# Altium PCB Mutiple_V1.PcbDoc (part 2 of 3)
Units mil, origin at the board's own origin, x right, y up, seen from the top; angles counter-clockwise.
Board outline 6720 x 5120 mil, 2 copper layers (Top Layer, Bottom Layer); 514 components, 299 nets, 1181 pads, 177 vias.
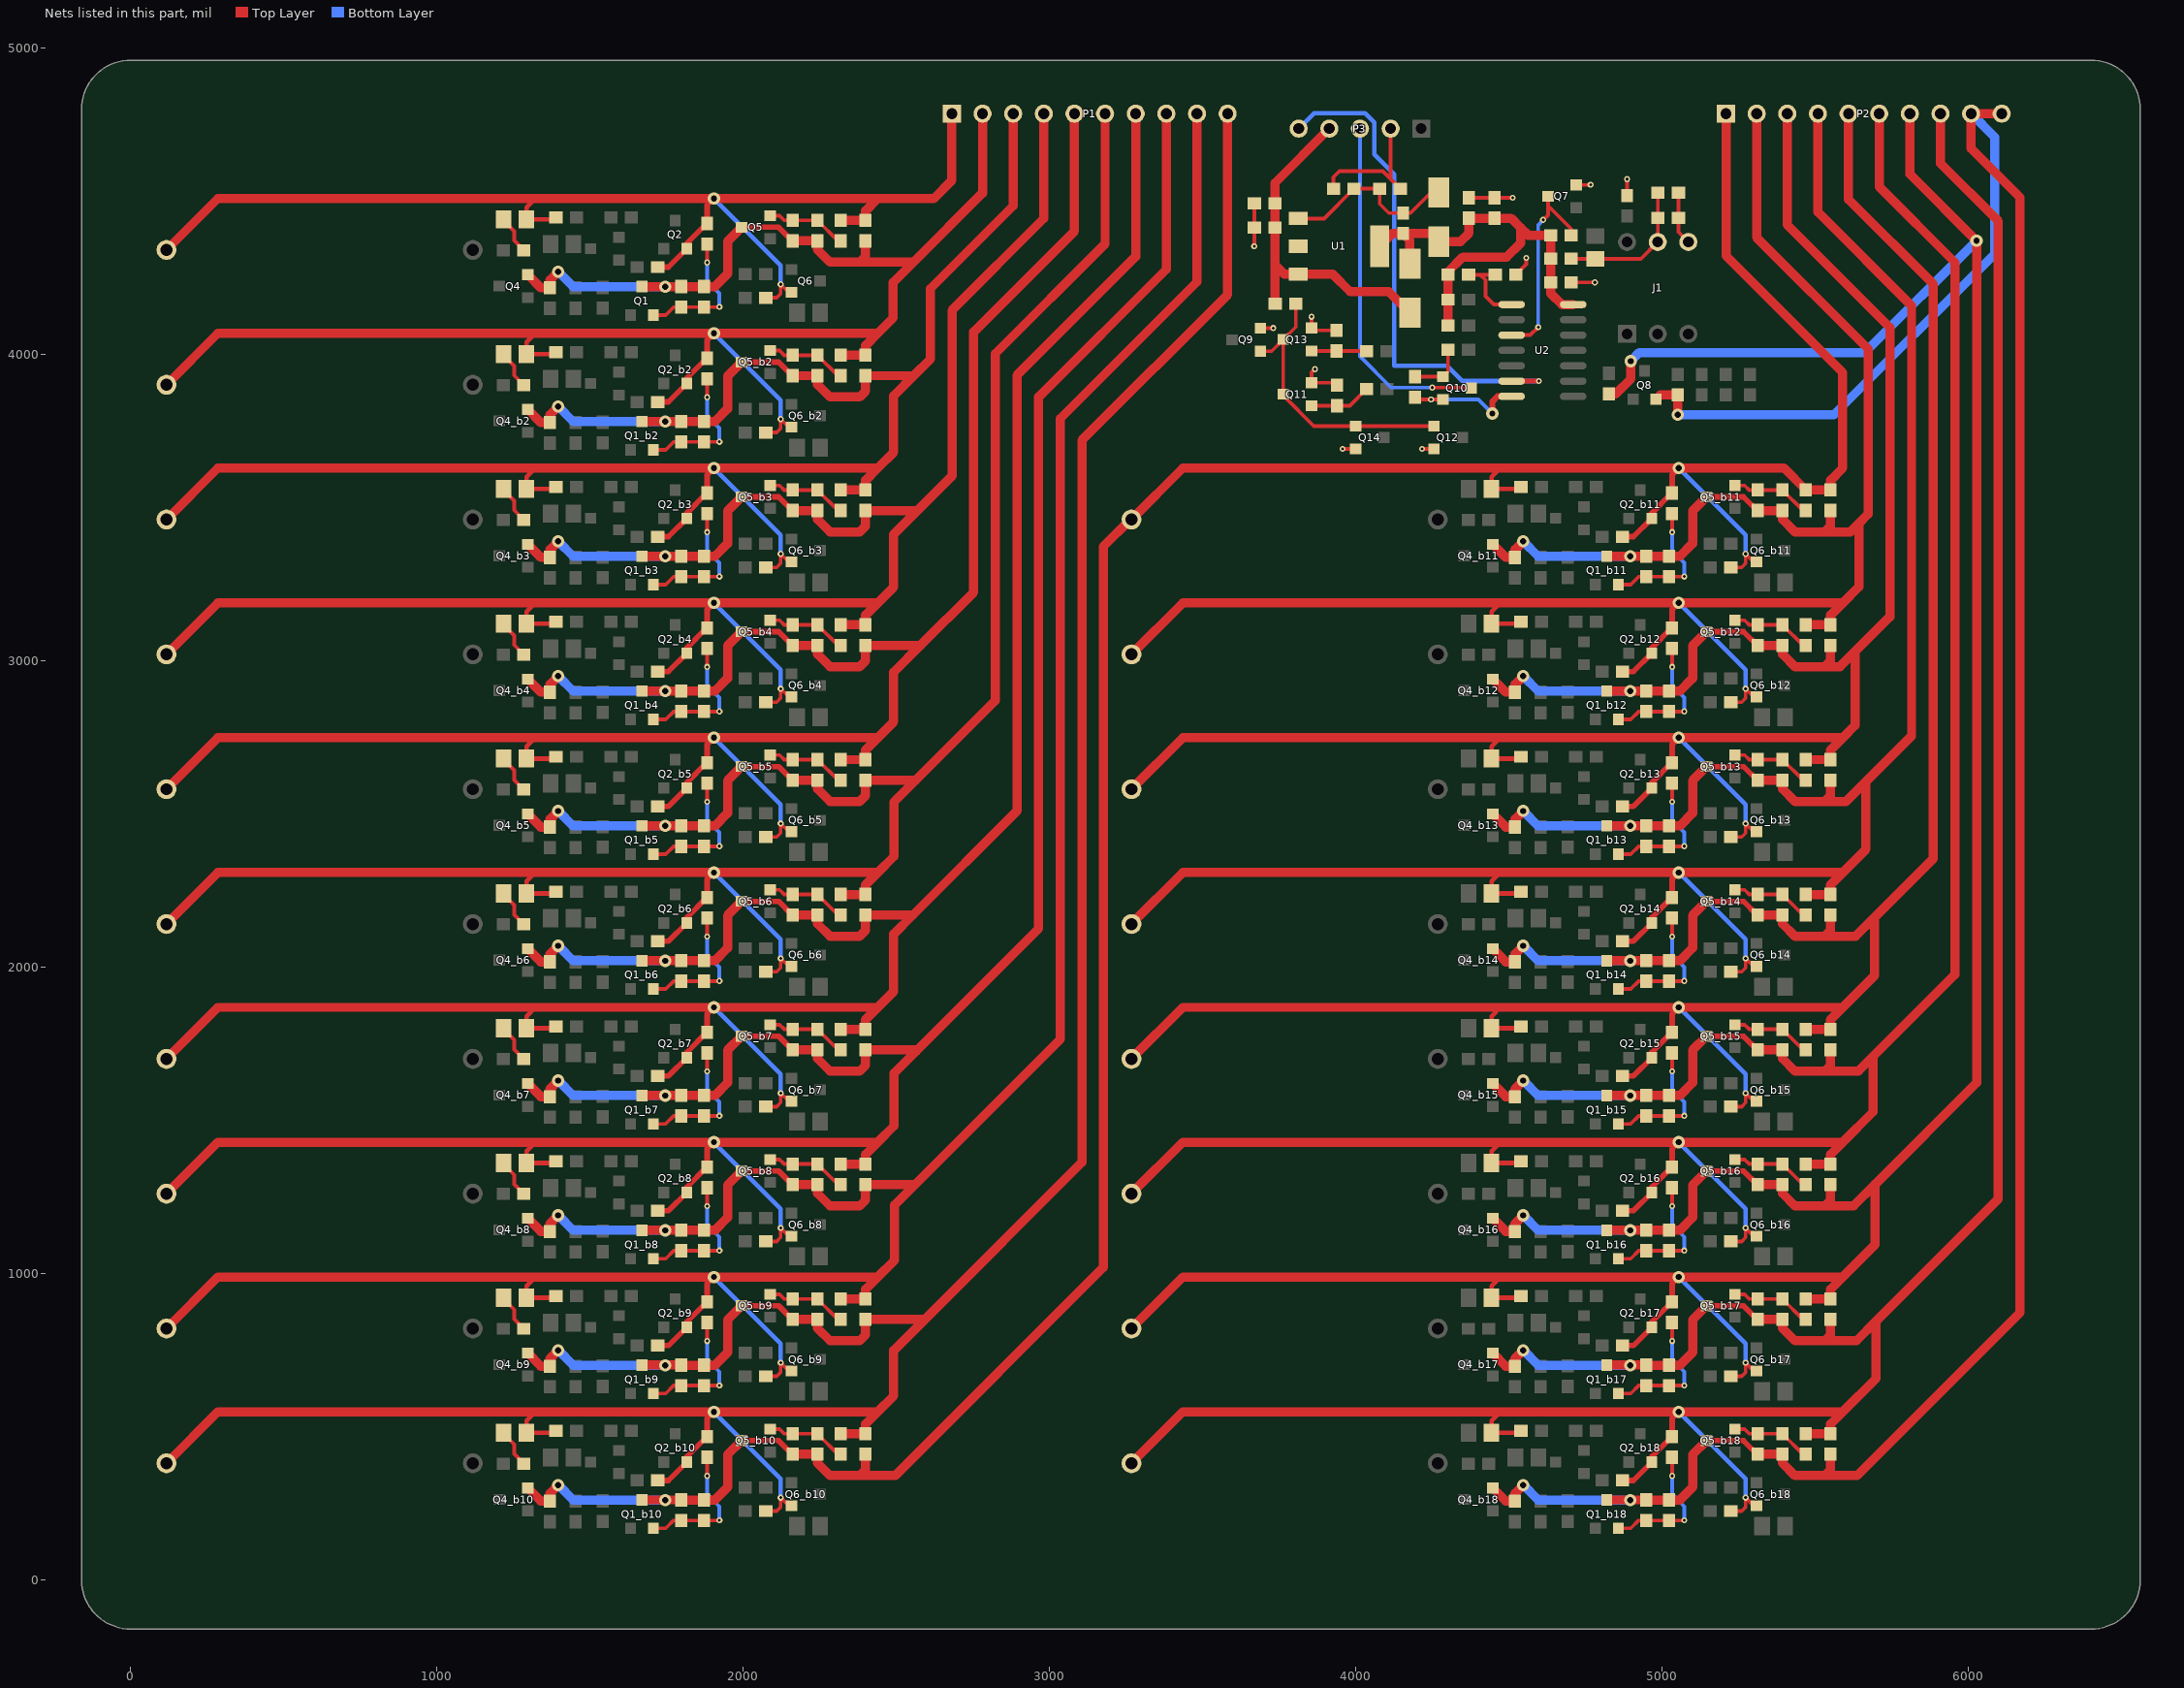
[diagram p2: the nets of this part, all layers, seen from the top]

## Part data
C1 C1_b2 C1_b3 C1_b4 C1_b5 C1_b6 C1_b7 C1_b8 C1_b9 C1_b10 C1_b11 C1_b12 C1_b13 C1_b14 C1_b15 C1_b16 C1_b17 C1_b18 C5 C5_b2 C5_b3 C5_b4 C5_b5 C5_b6 C5_b7 C5_b8 C5_b9 C5_b10 C5_b11 C5_b12 C5_b13 C5_b14 C5_b15 C5_b16 C5_b17 C5_b18 C6 C6_b2 C6_b3 C6_b4 C6_b5 C6_b6 C6_b7 C6_b8 C6_b9 C6_b10 C6_b11 C6_b12 C6_b13 C6_b14 C6_b15 C6_b16 C6_b17 C6_b18 C7 C8 C9 C10 C11 C12 C13 C14 C15 C16 C17 C18: "贴片瓷片电容"
D1 D1_b2 D1_b3 D1_b4 D1_b5 D1_b6 D1_b7 D1_b8 D1_b9 D1_b10 D1_b11 D1_b12 D1_b13 D1_b14 D1_b15 D1_b16 D1_b17 D1_b18: "发光二极管"
D2 D2_b2 D2_b3 D2_b4 D2_b5 D2_b6 D2_b7 D2_b8 D2_b9 D2_b10 D2_b11 D2_b12 D2_b13 D2_b14 D2_b15 D2_b16 D2_b17 D2_b18 D3 D4 D5 D6 D6_b2 D6_b3 D6_b4 D6_b5 D6_b6 D6_b7 D6_b8 D6_b9 D6_b10 D6_b11 D6_b12 D6_b13 D6_b14 D6_b15 D6_b16 D6_b17 D6_b18: library part Diode-R, "整流二极管"
J1: "光电耦合器"
P1 P2: "接插件"
P3: "Header, 5-Pin"
Q1 Q1_b2 Q1_b3 Q1_b4 Q1_b5 Q1_b6 Q1_b7 Q1_b8 Q1_b9 Q1_b10 Q1_b11 Q1_b12 Q1_b13 Q1_b14 Q1_b15 Q1_b16 Q1_b17 Q1_b18 Q5 Q5_b2 Q5_b3 Q5_b4 Q5_b5 Q5_b6 Q5_b7 Q5_b8 Q5_b9 Q5_b10 Q5_b11 Q5_b12 Q5_b13 Q5_b14 Q5_b15 Q5_b16 Q5_b17 Q5_b18: "可控精密稳压源"
Q2 Q2_b2 Q2_b3 Q2_b4 Q2_b5 Q2_b6 Q2_b7 Q2_b8 Q2_b9 Q2_b10 Q2_b11 Q2_b12 Q2_b13 Q2_b14 Q2_b15 Q2_b16 Q2_b17 Q2_b18 Q3 Q3_b2 Q3_b3 Q3_b4 Q3_b5 Q3_b6 Q3_b7 Q3_b8 Q3_b9 Q3_b10 Q3_b11 Q3_b12 Q3_b13 Q3_b14 Q3_b15 Q3_b16 Q3_b17 Q3_b18 Q6 Q6_b2 Q6_b3 Q6_b4 Q6_b5 Q6_b6 Q6_b7 Q6_b8 Q6_b9 Q6_b10 Q6_b11 Q6_b12 Q6_b13 Q6_b14 Q6_b15 Q6_b16 Q6_b17 Q6_b18: library part PNP1, "贴片三极管"
Q4 Q4_b2 Q4_b3 Q4_b4 Q4_b5 Q4_b6 Q4_b7 Q4_b8 Q4_b9 Q4_b10 Q4_b11 Q4_b12 Q4_b13 Q4_b14 Q4_b15 Q4_b16 Q4_b17 Q4_b18: library part MOSFET-N1, "MOSFET"
Q7 Q8 Q9 Q10 Q11 Q12 Q13 Q14: library part NPN1, "贴片三极管"
R1 R1_b2 R1_b3 R1_b4 R1_b5 R1_b6 R1_b7 R1_b8 R1_b9 R1_b10 R1_b11 R1_b12 R1_b13 R1_b14 R1_b15 R1_b16 R1_b17 R1_b18 R2 R2_b2 R2_b3 R2_b4 R2_b5 R2_b6 R2_b7 R2_b8 R2_b9 R2_b10 R2_b11 R2_b12 R2_b13 R2_b14 R2_b15 R2_b16 R2_b17 R2_b18 R3 R3_b2 R3_b3 R3_b4 R3_b5 R3_b6 R3_b7 R3_b8 R3_b9 R3_b10 R3_b11 R3_b12 R3_b13 R3_b14 R3_b15 R3_b16 R3_b17 R3_b18 R4 R4_b2 R4_b3 R4_b4 R4_b5 R4_b6 R4_b7 R4_b8 R4_b9 R4_b10 R4_b11 R4_b12 R4_b13 R4_b14 R4_b15 R4_b16 R4_b17 R4_b18 R5 R5_b2 R5_b3 R5_b4 R5_b5 R5_b6 R5_b7 R5_b8 R5_b9 R5_b10 R5_b11 R5_b12 R5_b13 R5_b14 R5_b15 R5_b16 R5_b17 R5_b18 R6 R6_b2 R6_b3 R6_b4 R6_b5 R6_b6 R6_b7 R6_b8 R6_b9 R6_b10 R6_b11 R6_b12 R6_b13 R6_b14 R6_b15 R6_b16 R6_b17 R6_b18 R7 R7_b2 R7_b3 R7_b4 R7_b5 R7_b6 R7_b7 R7_b8 R7_b9 R7_b10 R7_b11 R7_b12 R7_b13 R7_b14 R7_b15 R7_b16 R7_b17 R7_b18 R8 R8_b2 R8_b3 R8_b4 R8_b5 R8_b6 R8_b7 R8_b8 R8_b9 R8_b10 R8_b11 R8_b12 R8_b13 R8_b14 R8_b15 R8_b16 R8_b17 R8_b18 R9 R9_b2 R9_b3 R9_b4 R9_b5 R9_b6 R9_b7 R9_b8 R9_b9 R9_b10 R9_b11 R9_b12 R9_b13 R9_b14 R9_b15 R9_b16 R9_b17 R9_b18 R10 R10_b2 R10_b3 R10_b4 R10_b5 R10_b6 R10_b7 R10_b8 R10_b9 R10_b10 R10_b11 R10_b12 R10_b13 R10_b14 R10_b15 R10_b16 R10_b17 R10_b18 R11 R11_b2 R11_b3 R11_b4 R11_b5 R11_b6 R11_b7 R11_b8 R11_b9 R11_b10 R11_b11 R11_b12 R11_b13 R11_b14 R11_b15 R11_b16 R11_b17 R11_b18 R12 R12_b2 R12_b3 R12_b4 R12_b5 R12_b6 R12_b7 R12_b8 R12_b9 R12_b10 R12_b11 R12_b12 R12_b13 R12_b14 R12_b15 R12_b16 R12_b17 R12_b18 R13 R13_b2 R13_b3 R13_b4 R13_b5 R13_b6 R13_b7 R13_b8 R13_b9 R13_b10 R13_b11 R13_b12 R13_b13 R13_b14 R13_b15 R13_b16 R13_b17 R13_b18 R14 R14_b2 R14_b3 R14_b4 R14_b5 R14_b6 R14_b7 R14_b8 R14_b9 R14_b10 R14_b11 R14_b12 R14_b13 R14_b14 R14_b15 R14_b16 R14_b17 R14_b18 R15 R16 R17 R18 R19 R20 R21 R22 R23 R24 R25 R26 R27 R28 R29 R30 R31: "贴片电阻"
U1: "稳压芯片"
U2: "单输入端双D触发器"

## Via types
v1: diameter 20, hole 10, Top Layer to Bottom Layer, 115 vias
v2: diameter 40, hole 20, Top Layer to Bottom Layer, 58 vias
v3: diameter 125.98, hole 125.98, Top Layer to Bottom Layer, 4 vias

## Nets (pads, with @x,y where several pads share a name; then routed paths per layer and width w, separated by ;. In a path a pad name is that pad's centre, name@x,y a point inside that pad or via, vN(x,y) a via of type N, cw(c..) or ccw(c..) an arc to the next point about the centre after c; other vN are vias at no path point)
5V: C9.2 C10.2 C14.1 D4.2 D5.1 R15.2 R18.2 R19.1 R21.2 R26.2 R27.2 U1.2 U1.4 U2.14 | length 1556.5
  Top Layer w30: U1.4@4076.87,4353 4118.41,4394.54 R19.1@4154,4394.54 ; D5.1@4176,4296 4176,4372.54 R19.1@4154,4394.54 ; R27.2@4300.54,4095 R26.2@4300.54,4179 R21.2@4300.54,4260 4300.54,4269.76 4348.77,4318 4492,4318 4537,4363 4537,4414 ; C9.2@4452,4444.46 4506.54,4444.46 4537,4414 ; C9.2@4452,4444.54 C10.2@4369,4444.54 4369,4396 4341,4368 D4.2@4270,4368 4243.46,4394.54 R19.1@4154,4394.54 ; U2.14@4708.94,4163 4672,4163 4635.54,4199.46 R18.2@4635.54,4312 R15.2@4635.54,4389 4562,4389 4537,4414
12V: C7.2 C8.2 D5.2 P3.4 R28.1 U1.3 | length 1151.4
  Top Layer w30: R28.1@3736.54,4165 3735.46,4166.07 3735.46,4292.54 ; P3.4@3913,4737 3735.46,4559.46 C7.2@3735.46,4493 C8.2@3735.46,4414 3735.46,4292.54 ; D5.2@4176,4136 4107,4205 3981,4205 3923.55,4262.45 U1.3@3811.13,4262.45 3765.55,4262.45 3735.46,4292.54
ALARM: P3.3 Q10.3 | length 1149.3
  Top Layer w12: v1(4249,3892) 4374.26,3892 Q10.3@4376.26,3890
  Bottom Layer w12: P3.3@4013,4737 4013,3994 4115,3892 v1(4249,3892)
B1: Q9.1 Q11.3 Q12.1 Q13.3 Q14.1 R28.2 | length 939.5
  Top Layer w12: Q9.1@3688.26,4010.6 3724.34,4010.6 Q13.3@3762.74,4049 ; R28.2@3803.46,4165 3803.46,4089.72 Q13.3@3762.74,4049 ; Q12.1@4254.74,3766.4 Q14.1@3998.74,3766.4 3862.41,3766.4 3762.74,3866.07 Q11.3@3762.74,3870 Q13.3@3762.74,4049
C-: C7.1 C8.1 C9.1 C10.1 C11.1 C12.1 C13.1 C14.2 C15.2 C16.2 C17.2 C18.2 J1.4 P3.2 Q7.2 Q9.2 Q10.2 Q11.2 Q12.2 Q13.2 Q14.2 R17.2 R20.2 U2.7 | length 1960.8
  Top Layer w12: v1(3668,4353) 3668.54,4352.46 C8.1@3668.54,4414 C7.1@3668.54,4493 ; Q9.2@3688.26,4085.4 3688.86,4086 v1(3729.82,4086) ; v1(3855.26,4123.26) Q13.2@3855.26,4086.4 3863.2,4078.46 C18.2@3937,4078.46 ; v1(3866,3952) 3855.26,3941.26 Q11.2@3855.26,3907.4 3930.06,3907.4 C17.2@3938,3899.46 ; C12.1@3926.54,4541 3926.54,4578.54 3946,4598 4087.46,4598 4113,4572.46 ; v1(3956.4,3691.6) Q14.2@3998.74,3691.6 ; P3.2@4113,4737 4113,4572.46 ; R20.2@4144.46,4541 4113,4572.46 ; C16.2@4193,3860.54 4200.94,3852.6 Q10.2@4283.74,3852.6 ; v1(4215.6,3691.6) Q12.2@4254.74,3691.6 ; C10.1@4369,4511.46 C9.1@4452,4511.46 v1(4511.46,4511.46) ; C13.1@4521.46,4260 4556,4294.54 v1(4556,4315) ; C14.2@4702.46,4235 v1(4780,4235) ; Q7.2@4719.26,4553.4 4766.6,4553.4 v1(4766,4554) ; R17.2@4885,4518.46 v1(4885,4572) ; C15.2@5052.46,4528 C11.1@5052.46,4446 5052.46,4399.54 J1.4@5085,4367
  Top Layer w20: v2(4445,3807) 4445,3846 4462,3863 U2.7@4508,3863
  Bottom Layer w12: v1(4245,3853) 4245.4,3852.6 4399.4,3852.6 v2(4445,3807)
EDGE: Q7.3 R15.1 U2.3 | length 665.5
  Top Layer w12: U2.3@4508,4063 4569,4063 v1(4595,4089) ; v1(4611,4439) 4626.74,4454.74 4626.74,4485.26 ; Q7.3@4626.74,4516 4626.74,4485.26 ; R15.1@4702.46,4389 4702.46,4409.54 4626.74,4485.26
  Bottom Layer w12: v1(4595,4089) 4595,4423 v1(4611,4439)
IN_A0: C1.2 D1.1 P1.1 Q2.2 Q6.2 R1.2 R3.2 R4.1 R9.2 R11.2 R13.2 | length 4046.9
  Top Layer w12: R13.2@2073.46,4185 2109,4185 2122,4198 v1(2122,4229) 2148.4,4202.6 Q6.2@2157.74,4202.6
  Top Layer w15: 1321,4509 1292.4,4480.4 D1.1@1292.4,4441 1382.54,4441 R4.1@1388.54,4447
  Top Layer w18: R3.2@1720.46,4285 1755.66,4285 Q2.2@1815.4,4344.74 1815.4,4362.15 1880.72,4427.46 R1.2@1882,4427.46 1882,4487 v2(1904,4509)
  Top Layer w30: R9.2@117,4341 285,4509 1321,4509 v2(1904,4509) 2439,4509 ; R11.2@2318,4437.46 C1.2@2399,4437.46 2399,4469 2439,4509 ; P1.1@2681,4786 2681,4568 2622,4509 2439,4509
  Bottom Layer w15: v2(1904,4509) 2122,4291 v1(2122,4229)
IN_A1: C1.1 C1_b2.2 C5.1 C6.1 D1_b2.1 P1.2 Q1.3 Q2_b2.2 Q4.2 Q5.3 Q6_b2.2 R1_b2.2 R2.1 R3_b2.2 R4_b2.1 R8.1 R9_b2.2 R11_b2.2 R12.1 R13_b2.2 | length 6191.7
  Top Layer w12: R13_b2.2@2073.46,3745 2109,3745 2122,3758 v1(2122,3789) 2148.4,3762.6 Q6_b2.2@2157.74,3762.6
  Top Layer w15: 1321,4069 1292.4,4040.4 D1_b2.1@1292.4,4001 1382.54,4001 R4_b2.1@1388.54,4007
  Top Layer w18: Q1.3@1669,4221.26 v2@1745,4221.26 ; R3_b2.2@1720.46,3845 1755.66,3845 Q2_b2.2@1815.4,3904.74 1815.4,3922.15 1880.72,3987.46 R1_b2.2@1882,3987.46 1882,4047 v2(1904,4069) ; Q5.3@1994.74,4415 2115.26,4415 2159.72,4370.54 C6.1@2161,4370.54
  Top Layer w30: R9_b2.2@117,3901 285,4069 1321,4069 v2(1904,4069) 2439,4069 ; Q4.2@1296.26,4260.4 1339.2,4217.46 R8.1@1369,4217.46 1369,4243 v2(1396,4270) ; Q1.3@1669,4221.26 1669.2,4221.46 C5.1@1798,4221.46 1798.2,4221.26 1907.33,4221.26 1949,4262.93 1949,4369.26 Q5.3@1994.74,4415 ; C6.1@2161,4370.54 R12.1@2242,4370.54 2242,4342 2283,4301 2380,4301 ; R11_b2.2@2318,3997.46 C1_b2.2@2399,3997.46 2399,4029 2439,4069 ; C1.1@2399,4370.54 2399,4320 2380,4301 ; P1.2@2781,4786 2781,4526.58 2555.42,4301 ; 2380,4301 2555.42,4301 ; 2439,4069 2489,4119 2489,4234.58 2555.42,4301
  Bottom Layer w15: v2(1904,4069) 2122,3851 v1(2122,3789)
  Bottom Layer w18: v2@1740,4221.26 1745.26,4221.26 v2(1745,4221)
  Bottom Layer w30: v2(1396,4270) 1444.74,4221.26 1739.74,4221.26 v2@1740,4221
IN_A2: C1_b2.1 C1_b3.2 C5_b2.1 C6_b2.1 D1_b3.1 P1.3 Q1_b2.3 Q2_b3.2 Q4_b2.2 Q5_b2.3 Q6_b3.2 R1_b3.2 R2_b2.1 R3_b3.2 R4_b3.1 R8_b2.1 R9_b3.2 R11_b3.2 R12_b2.1 R13_b3.2 | length 6655.3
  Top Layer w12: R13_b3.2@2073.46,3305 2109,3305 2122,3318 v1(2122,3349) 2148.4,3322.6 Q6_b3.2@2157.74,3322.6
  Top Layer w15: 1321,3629 1292.4,3600.4 D1_b3.1@1292.4,3561 1382.54,3561 R4_b3.1@1388.54,3567
  Top Layer w18: Q1_b2.3@1669,3781.26 v2@1745,3781.26 ; R3_b3.2@1720.46,3405 1755.66,3405 Q2_b3.2@1815.4,3464.74 1815.4,3482.15 1880.72,3547.46 R1_b3.2@1882,3547.46 1882,3607 v2(1904,3629) ; Q5_b2.3@1994.74,3975 2115.26,3975 2159.72,3930.54 C6_b2.1@2161,3930.54
  Top Layer w30: R9_b3.2@117,3461 285,3629 1321,3629 v2(1904,3629) 2439,3629 ; Q4_b2.2@1296.26,3820.4 1339.2,3777.46 R8_b2.1@1369,3777.46 1369,3803 v2(1396,3830) ; Q1_b2.3@1669,3781.26 1669.2,3781.46 C5_b2.1@1798,3781.46 1798.2,3781.26 1907.33,3781.26 1949,3822.93 1949,3929.26 Q5_b2.3@1994.74,3975 ; C6_b2.1@2161,3930.54 R12_b2.1@2242,3930.54 2242,3902 2283,3861 2380,3861 2399,3880 C1_b2.1@2399,3930.54 2556.54,3930.54 ; R11_b3.2@2318,3557.46 C1_b3.2@2399,3557.46 2399,3589 2439,3629 ; P1.3@2881,4786 2881,4485.16 2610.42,4214.58 2610.42,3984.42 2556.54,3930.54 ; 2439,3629 2491,3681 2491,3865 2556.54,3930.54
  Bottom Layer w15: v2(1904,3629) 2122,3411 v1(2122,3349)
  Bottom Layer w18: v2@1740,3781.26 1745.26,3781.26 v2(1745,3781)
  Bottom Layer w30: v2(1396,3830) 1444.74,3781.26 1739.74,3781.26 v2@1740,3781
IN_A3: C1_b3.1 C1_b4.2 C5_b3.1 C6_b3.1 D1_b4.1 P1.4 Q1_b3.3 Q2_b4.2 Q4_b3.2 Q5_b3.3 Q6_b4.2 R1_b4.2 R2_b3.1 R3_b4.2 R4_b4.1 R8_b3.1 R9_b4.2 R11_b4.2 R12_b3.1 R13_b4.2 | length 7148.7
  Top Layer w12: R13_b4.2@2073.46,2865 2109,2865 2122,2878 v1(2122,2909) 2148.4,2882.6 Q6_b4.2@2157.74,2882.6
  Top Layer w15: 1321,3189 1292.4,3160.4 D1_b4.1@1292.4,3121 1382.54,3121 R4_b4.1@1388.54,3127
  Top Layer w18: Q1_b3.3@1669,3341.26 v2@1745,3341.26 ; R3_b4.2@1720.46,2965 1755.66,2965 Q2_b4.2@1815.4,3024.74 1815.4,3042.15 1880.72,3107.46 R1_b4.2@1882,3107.46 1882,3167 v2(1904,3189) ; Q5_b3.3@1994.74,3535 2115.26,3535 2159.72,3490.54 C6_b3.1@2161,3490.54
  Top Layer w30: R9_b4.2@117,3021 285,3189 1321,3189 v2(1904,3189) 2439,3189 ; Q4_b3.2@1296.26,3380.4 1339.2,3337.46 R8_b3.1@1369,3337.46 1369,3363 v2(1396,3390) ; Q1_b3.3@1669,3341.26 1669.2,3341.46 C5_b3.1@1798,3341.46 1798.2,3341.26 1907.33,3341.26 1949,3382.93 1949,3489.26 Q5_b3.3@1994.74,3535 ; C6_b3.1@2161,3490.54 R12_b3.1@2242,3490.54 2242,3462 2283,3421 2380,3421 2399,3440 C1_b3.1@2399,3490.54 2568.54,3490.54 ; R11_b4.2@2318,3117.46 C1_b4.2@2399,3117.46 2399,3149 2439,3189 ; P1.4@2981,4786 2981,4443.74 2681.13,4143.87 2681.13,3603.13 2568.54,3490.54 ; 2439,3189 2491,3241 2491,3413 2568.54,3490.54
  Bottom Layer w15: v2(1904,3189) 2122,2971 v1(2122,2909)
  Bottom Layer w18: v2@1740,3341.26 1745.26,3341.26 v2(1745,3341)
  Bottom Layer w30: v2(1396,3390) 1444.74,3341.26 1739.74,3341.26 v2@1740,3341
IN_A4: C1_b4.1 C1_b5.2 C5_b4.1 C6_b4.1 D1_b5.1 P1.5 Q1_b4.3 Q2_b5.2 Q4_b4.2 Q5_b4.3 Q6_b5.2 R1_b5.2 R2_b4.1 R3_b5.2 R4_b5.1 R8_b4.1 R9_b5.2 R11_b5.2 R12_b4.1 R13_b5.2 | length 7640.1
  Top Layer w12: R13_b5.2@2073.46,2425 2109,2425 2122,2438 v1(2122,2469) 2148.4,2442.6 Q6_b5.2@2157.74,2442.6
  Top Layer w15: 1321,2749 1292.4,2720.4 D1_b5.1@1292.4,2681 1382.54,2681 R4_b5.1@1388.54,2687
  Top Layer w18: Q1_b4.3@1669,2901.26 v2@1745,2901.26 ; R3_b5.2@1720.46,2525 1755.66,2525 Q2_b5.2@1815.4,2584.74 1815.4,2602.15 1880.72,2667.46 R1_b5.2@1882,2667.46 1882,2727 v2(1904,2749) ; Q5_b4.3@1994.74,3095 2115.26,3095 2159.72,3050.54 C6_b4.1@2161,3050.54
  Top Layer w30: R9_b5.2@117,2581 285,2749 1321,2749 v2(1904,2749) 2439,2749 ; Q4_b4.2@1296.26,2940.4 1339.2,2897.46 R8_b4.1@1369,2897.46 1369,2923 v2(1396,2950) ; Q1_b4.3@1669,2901.26 1669.2,2901.46 C5_b4.1@1798,2901.46 1798.2,2901.26 1907.33,2901.26 1949,2942.93 1949,3049.26 Q5_b4.3@1994.74,3095 ; C6_b4.1@2161,3050.54 R12_b4.1@2242,3050.54 2242,3022 2283,2981 2380,2981 2399,3000 C1_b4.1@2399,3050.54 2578.54,3050.54 ; R11_b5.2@2318,2677.46 C1_b5.2@2399,2677.46 2399,2709 2439,2749 ; P1.5@3081,4786 3081,4402.31 2751.84,4073.16 2751.84,3223.84 2578.54,3050.54 ; 2439,2749 2491,2801 2491,2963 2578.54,3050.54
  Bottom Layer w15: v2(1904,2749) 2122,2531 v1(2122,2469)
  Bottom Layer w18: v2@1740,2901.26 1745.26,2901.26 v2(1745,2901)
  Bottom Layer w30: v2(1396,2950) 1444.74,2901.26 1739.74,2901.26 v2@1740,2901
IN_A5: C1_b5.1 C1_b6.2 C5_b5.1 C6_b5.1 D1_b6.1 P1.6 Q1_b5.3 Q2_b6.2 Q4_b5.2 Q5_b5.3 Q6_b6.2 R1_b6.2 R2_b5.1 R3_b6.2 R4_b6.1 R8_b5.1 R9_b6.2 R11_b6.2 R12_b5.1 R13_b6.2 | length 8105
  Top Layer w12: R13_b6.2@2073.46,1985 2109,1985 2122,1998 v1(2122,2029) 2148.4,2002.6 Q6_b6.2@2157.74,2002.6
  Top Layer w15: 1321,2309 1292.4,2280.4 D1_b6.1@1292.4,2241 1382.54,2241 R4_b6.1@1388.54,2247
  Top Layer w18: Q1_b5.3@1669,2461.26 v2@1745,2461.26 ; R3_b6.2@1720.46,2085 1755.66,2085 Q2_b6.2@1815.4,2144.74 1815.4,2162.15 1880.72,2227.46 R1_b6.2@1882,2227.46 1882,2287 v2(1904,2309) ; Q5_b5.3@1994.74,2655 2115.26,2655 2159.72,2610.54 C6_b5.1@2161,2610.54
  Top Layer w30: R9_b6.2@117,2141 285,2309 1321,2309 v2(1904,2309) 2439,2309 ; Q4_b5.2@1296.26,2500.4 1339.2,2457.46 R8_b5.1@1369,2457.46 1369,2483 v2(1396,2510) ; Q1_b5.3@1669,2461.26 1669.2,2461.46 C5_b5.1@1798,2461.46 1798.2,2461.26 1907.33,2461.26 1949,2502.93 1949,2609.26 Q5_b5.3@1994.74,2655 ; C6_b5.1@2161,2610.54 R12_b5.1@2242,2610.54 2242,2582 2283,2541 2380,2541 2399,2560 C1_b5.1@2399,2610.54 2559.46,2610.54 2561.28,2608.72 ; R11_b6.2@2318,2237.46 C1_b6.2@2399,2237.46 2399,2269 2439,2309 ; P1.6@3181,4786 3181,4360.89 2822.55,4002.45 2822.55,2870 2561.28,2608.72 ; 2439,2309 2492,2362 2492,2539.45 2561.28,2608.72
  Bottom Layer w15: v2(1904,2309) 2122,2091 v1(2122,2029)
  Bottom Layer w18: v2@1740,2461.26 1745.26,2461.26 v2(1745,2461)
  Bottom Layer w30: v2(1396,2510) 1444.74,2461.26 1739.74,2461.26 v2@1740,2461
IN_A6: C1_b6.1 C1_b7.2 C5_b6.1 C6_b6.1 D1_b7.1 P1.7 Q1_b6.3 Q2_b7.2 Q4_b6.2 Q5_b6.3 Q6_b7.2 R1_b7.2 R2_b6.1 R3_b7.2 R4_b7.1 R8_b6.1 R9_b7.2 R11_b7.2 R12_b6.1 R13_b7.2 | length 8578
  Top Layer w12: R13_b7.2@2073.46,1545 2109,1545 2122,1558 v1(2122,1589) 2148.4,1562.6 Q6_b7.2@2157.74,1562.6
  Top Layer w15: 1321,1869 1292.4,1840.4 D1_b7.1@1292.4,1801 1382.54,1801 R4_b7.1@1388.54,1807
  Top Layer w18: Q1_b6.3@1669,2021.26 v2@1745,2021.26 ; R3_b7.2@1720.46,1645 1755.66,1645 Q2_b7.2@1815.4,1704.74 1815.4,1722.15 1880.72,1787.46 R1_b7.2@1882,1787.46 1882,1847 v2(1904,1869) ; Q5_b6.3@1994.74,2215 2115.26,2215 2159.72,2170.54 C6_b6.1@2161,2170.54
  Top Layer w30: R9_b7.2@117,1701 285,1869 1321,1869 v2(1904,1869) 2439,1869 ; Q4_b6.2@1296.26,2060.4 1339.2,2017.46 R8_b6.1@1369,2017.46 1369,2043 v2(1396,2070) ; Q1_b6.3@1669,2021.26 1669.2,2021.46 C5_b6.1@1798,2021.46 1798.2,2021.26 1907.33,2021.26 1949,2062.93 1949,2169.26 Q5_b6.3@1994.74,2215 ; C6_b6.1@2161,2170.54 R12_b6.1@2242,2170.54 2242,2142 2283,2101 2380,2101 2399,2120 C1_b6.1@2399,2170.54 2553.54,2170.54 ; R11_b7.2@2318,1797.46 C1_b7.2@2399,1797.46 2399,1829 2439,1869 ; P1.7@3281,4786 3281,4319.47 2893.26,3931.74 2893.26,2510.26 2553.54,2170.54 ; 2439,1869 2491,1921 2491,2108 2553.54,2170.54
  Bottom Layer w15: v2(1904,1869) 2122,1651 v1(2122,1589)
  Bottom Layer w18: v2@1740,2021.26 1745.26,2021.26 v2(1745,2021)
  Bottom Layer w30: v2(1396,2070) 1444.74,2021.26 1739.74,2021.26 v2@1740,2021
IN_A7: C1_b7.1 C1_b8.2 C5_b7.1 C6_b7.1 D1_b8.1 P1.8 Q1_b7.3 Q2_b8.2 Q4_b7.2 Q5_b7.3 Q6_b8.2 R1_b8.2 R2_b7.1 R3_b8.2 R4_b8.1 R8_b7.1 R9_b8.2 R11_b8.2 R12_b7.1 R13_b8.2 | length 9071.7
  Top Layer w12: R13_b8.2@2073.46,1105 2109,1105 2122,1118 v1(2122,1149) 2148.4,1122.6 Q6_b8.2@2157.74,1122.6
  Top Layer w15: 1321,1429 1292.4,1400.4 D1_b8.1@1292.4,1361 1382.54,1361 R4_b8.1@1388.54,1367
  Top Layer w18: Q1_b7.3@1669,1581.26 v2@1745,1581.26 ; R3_b8.2@1720.46,1205 1755.66,1205 Q2_b8.2@1815.4,1264.74 1815.4,1282.15 1880.72,1347.46 R1_b8.2@1882,1347.46 1882,1407 v2(1904,1429) ; Q5_b7.3@1994.74,1775 2115.26,1775 2159.72,1730.54 C6_b7.1@2161,1730.54
  Top Layer w30: R9_b8.2@117,1261 285,1429 1321,1429 v2(1904,1429) 2439,1429 ; Q4_b7.2@1296.26,1620.4 1339.2,1577.46 R8_b7.1@1369,1577.46 1369,1603 v2(1396,1630) ; Q1_b7.3@1669,1581.26 1669.2,1581.46 C5_b7.1@1798,1581.46 1798.2,1581.26 1907.33,1581.26 1949,1622.93 1949,1729.26 Q5_b7.3@1994.74,1775 ; C6_b7.1@2161,1730.54 R12_b7.1@2242,1730.54 2242,1702 2283,1661 2380,1661 2399,1680 C1_b7.1@2399,1730.54 2559.46,1730.54 2564,1726 ; R11_b8.2@2318,1357.46 C1_b8.2@2399,1357.46 2399,1389 2439,1429 ; P1.8@3381,4786 3381,4278.05 2963.97,3861.03 2963.97,2125.97 2564,1726 ; 2439,1429 2492,1482 2492,1654 2564,1726
  Bottom Layer w15: v2(1904,1429) 2122,1211 v1(2122,1149)
  Bottom Layer w18: v2@1740,1581.26 1745.26,1581.26 v2(1745,1581)
  Bottom Layer w30: v2(1396,1630) 1444.74,1581.26 1739.74,1581.26 v2@1740,1581
IN_A8: C1_b8.1 C1_b9.2 C5_b8.1 C6_b8.1 D1_b9.1 P1.9 Q1_b8.3 Q2_b9.2 Q4_b8.2 Q5_b8.3 Q6_b9.2 R1_b9.2 R2_b8.1 R3_b9.2 R4_b9.1 R8_b8.1 R9_b9.2 R11_b9.2 R12_b8.1 R13_b9.2 | length 9547.8
  Top Layer w12: R13_b9.2@2073.46,665 2109,665 2122,678 v1(2122,709) 2148.4,682.6 Q6_b9.2@2157.74,682.6
  Top Layer w15: 1321,989 1292.4,960.4 D1_b9.1@1292.4,921 1382.54,921 R4_b9.1@1388.54,927
  Top Layer w18: Q1_b8.3@1669,1141.26 v2@1745,1141.26 ; R3_b9.2@1720.46,765 1755.66,765 Q2_b9.2@1815.4,824.74 1815.4,842.15 1880.72,907.46 R1_b9.2@1882,907.46 1882,967 v2(1904,989) ; Q5_b8.3@1994.74,1335 2115.26,1335 2159.72,1290.54 C6_b8.1@2161,1290.54
  Top Layer w30: R9_b9.2@117,821 285,989 1321,989 v2(1904,989) 2439,989 ; Q4_b8.2@1296.26,1180.4 1339.2,1137.46 R8_b8.1@1369,1137.46 1369,1163 v2(1396,1190) ; Q1_b8.3@1669,1141.26 1669.2,1141.46 C5_b8.1@1798,1141.46 1798.2,1141.26 1907.33,1141.26 1949,1182.93 1949,1289.26 Q5_b8.3@1994.74,1335 ; C6_b8.1@2161,1290.54 R12_b8.1@2242,1290.54 2242,1262 2283,1221 2380,1221 2399,1240 C1_b8.1@2399,1290.54 2560.54,1290.54 ; R11_b9.2@2318,917.46 C1_b9.2@2399,917.46 2399,949 2439,989 ; P1.9@3481,4786 3481,4236.63 3034.69,3790.31 3034.69,1764.69 2560.54,1290.54 ; 2439,989 2494,1044 2494,1224 2560.54,1290.54
  Bottom Layer w15: v2(1904,989) 2122,771 v1(2122,709)
  Bottom Layer w18: v2@1740,1141.26 1745.26,1141.26 v2(1745,1141)
  Bottom Layer w30: v2(1396,1190) 1444.74,1141.26 1739.74,1141.26 v2@1740,1141
IN_A9: C1_b9.1 C1_b10.2 C5_b9.1 C6_b9.1 D1_b10.1 P1.10 Q1_b9.3 Q2_b10.2 Q4_b9.2 Q5_b9.3 Q6_b10.2 R1_b10.2 R2_b9.1 R3_b10.2 R4_b10.1 R8_b9.1 R9_b10.2 R11_b10.2 R12_b9.1 R13_b10.2 | length 10061.2
  Top Layer w12: R13_b10.2@2073.46,225 2109,225 2122,238 v1(2122,269) 2148.4,242.6 Q6_b10.2@2157.74,242.6